# Altium PCB 3-as-manufactured.PcbDoc (part 10 of 16)
Units mil, origin at the board's own origin, x right, y up, seen from the top; angles counter-clockwise.
Board outline 4130.55 x 4250 mil, 8 copper layers (L1_TOP, L2_GND, L3_INT, L4_PWR, L5_PWR, L6_INT, L7_GND, L8_BOT), stack 61 mil thick; 584 components, 489 nets, 2229 pads, 1894 vias.
Unrouted connection lines stored in the file: 4.
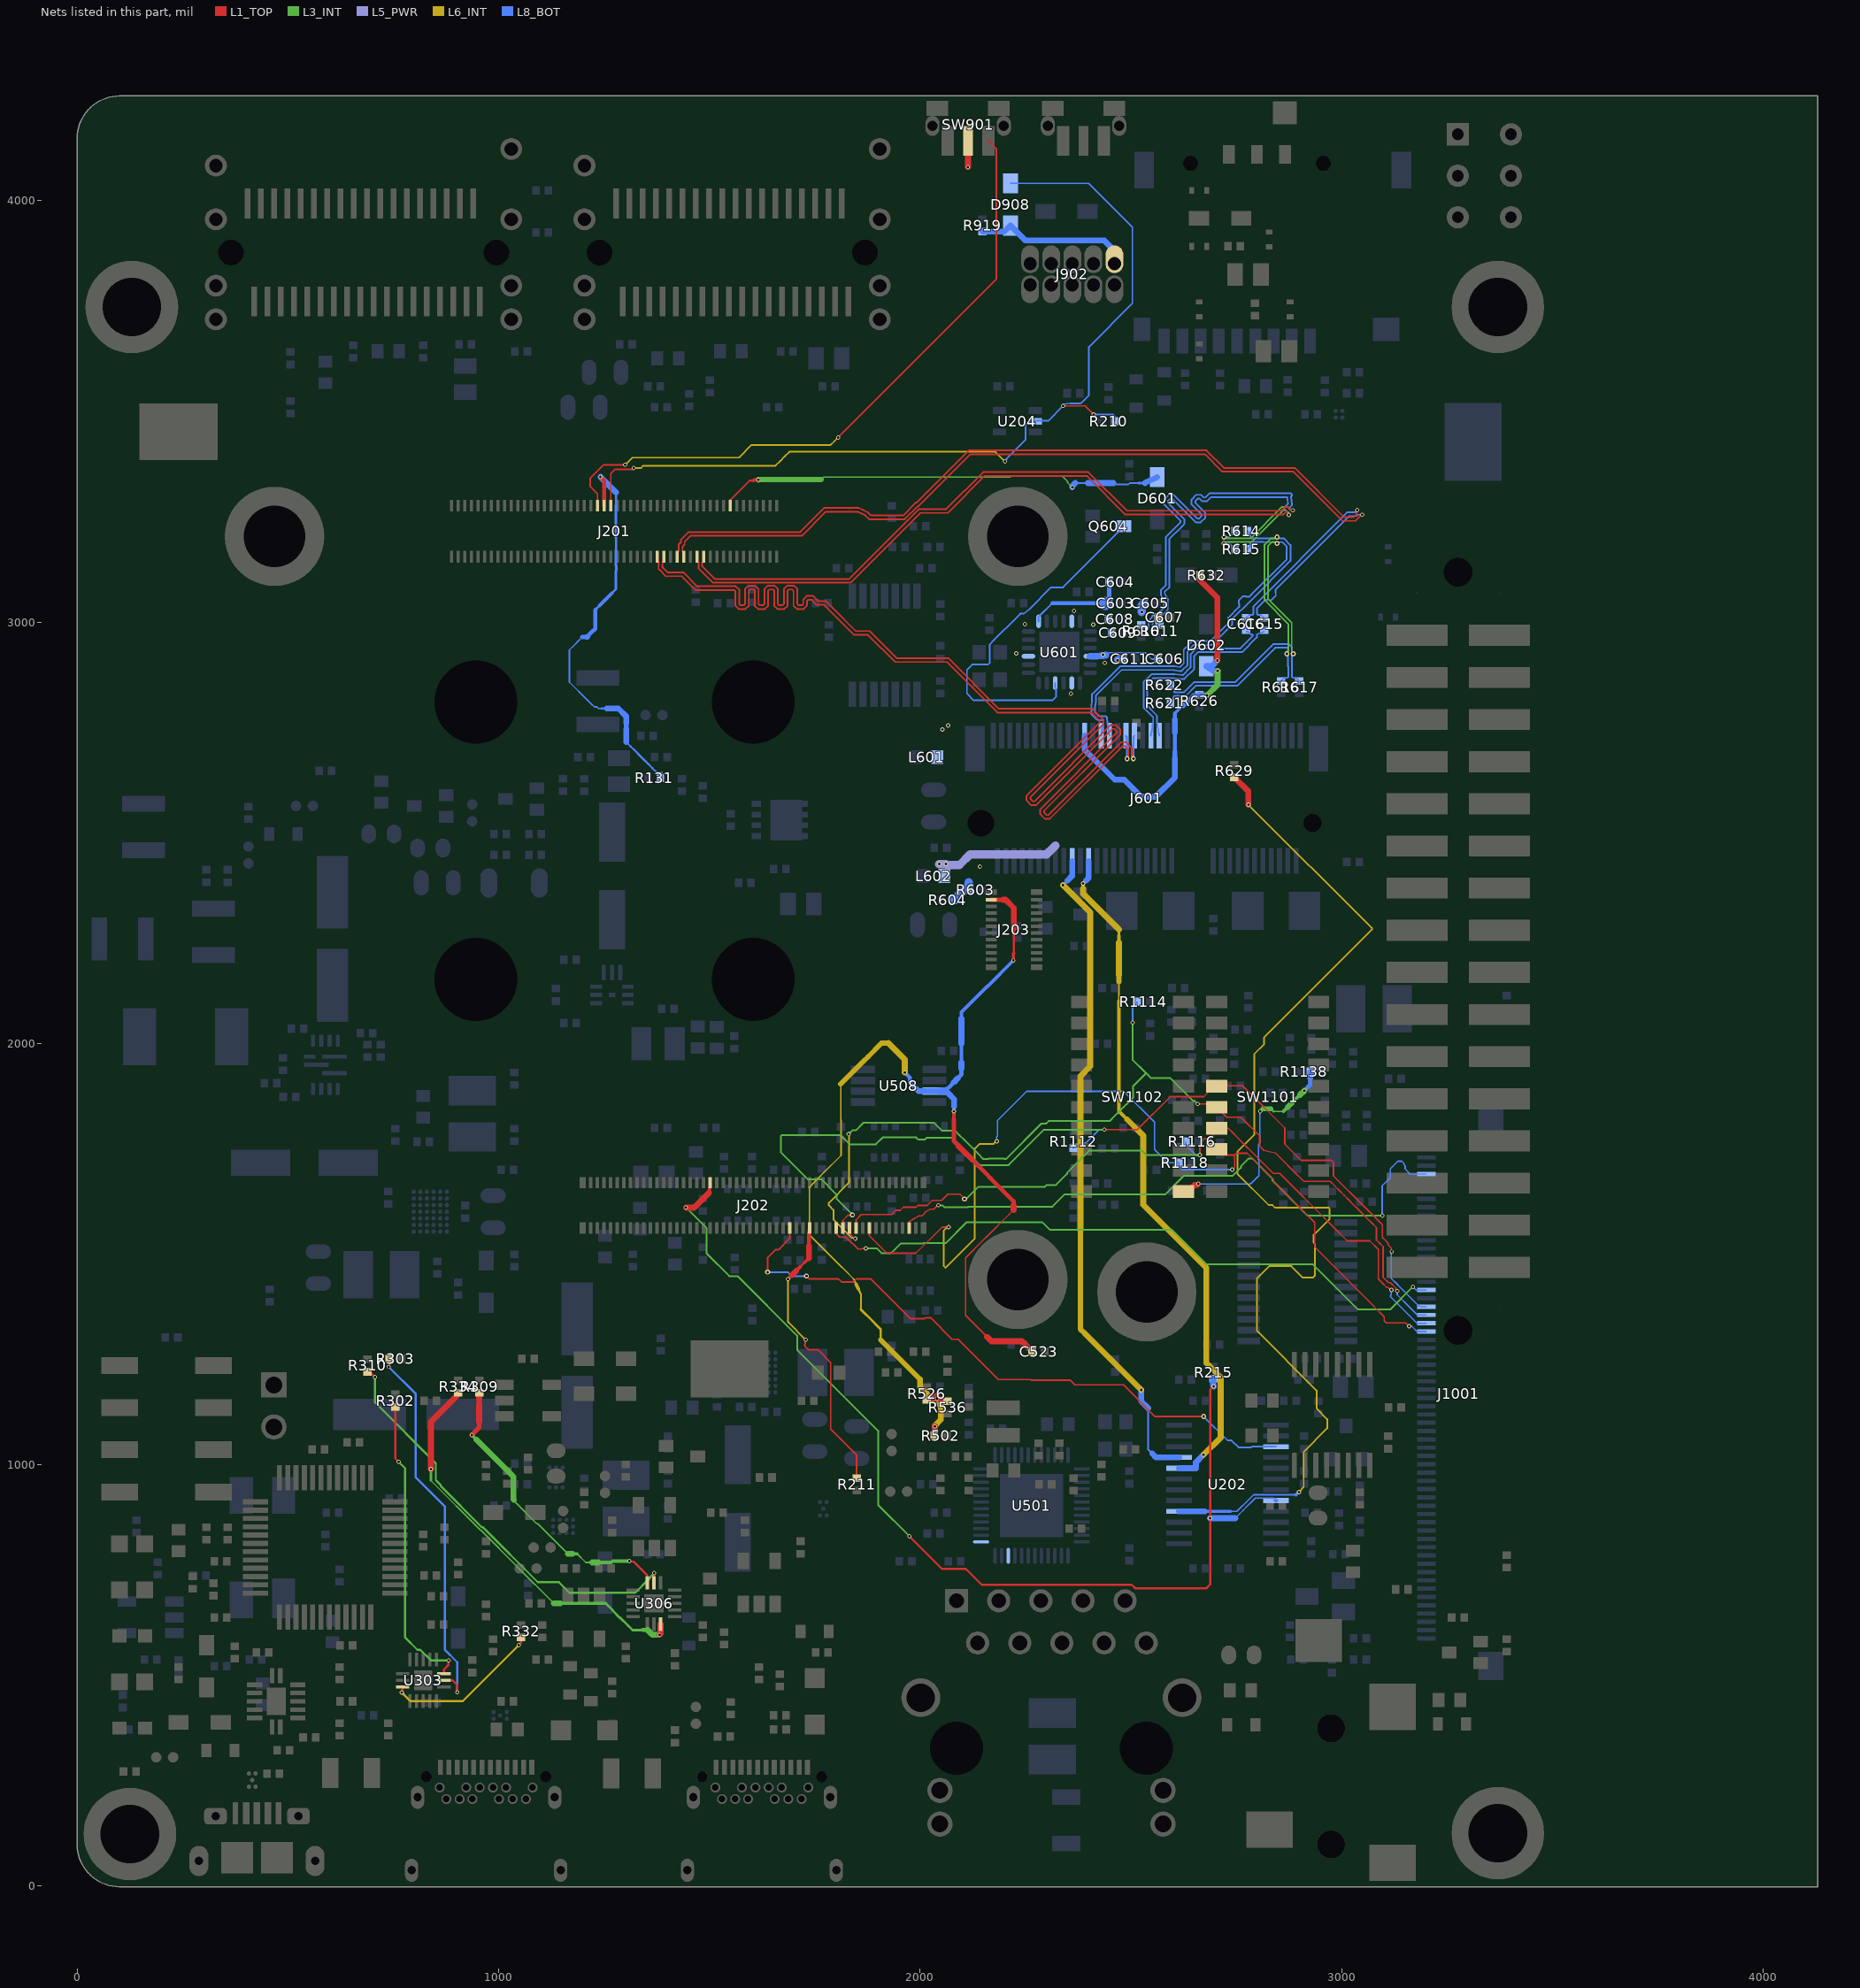
[diagram p16: the nets of this part, all layers, seen from the top]

## Via types
v1: diameter 10, hole 5.9, L1_TOP to L8_BOT, tented both sides, 1703 vias
v2: diameter 12, hole 5.9, L1_TOP to L8_BOT, tented both sides, 110 vias
v3: diameter 10, hole 6, L1_TOP to L8_BOT, tented both sides, 69 vias
v4: diameter 12, hole 6, L1_TOP to L8_BOT, tented both sides, 12 vias

## Nets (pads, with @x,y where several pads share a name; then routed paths per layer and width w, separated by ;. In a path a pad name is that pad's centre, name@x,y a point inside that pad or via, vN(x,y) a via of type N, cw(c..) or ccw(c..) an arc to the next point about the centre after c; other vN are vias at no path point) (continued)
NetR1138_1: R1138.1 SW1102.11 | length 528.8
  L1_TOP w12.01: v1@2657.81,1664.67 v1(2659.96,1666.83)
  L1_TOP w14.05: SW1102.11@2624.63,1648.79 2639.01,1651.65 2652.03,1664.67 v1@2657.81,1664.67
  L3_INT w3.5: 2838.32,1838.98 2862.14,1838.98
  L3_INT w4.85: 2832.44,1844.85 2838.32,1838.98
  L3_INT w7.92: v1(2807,1839) 2807.18,1839 2813.04,1844.85 ; 2862.14,1838.98 2871.93,1848.77 ; 2881.72,1858.56 2891.51,1868.35
  L3_INT w8.94: 2891.51,1868.35 2901.3,1878.14
  L3_INT w10.99: 2813.04,1844.85 2832.44,1844.85
  L3_INT w13.03: 2871.93,1848.77 2881.72,1858.56
  L3_INT w14.05: 2901.3,1878.14 2911.09,1887.93 v1(2911.6,1887.93)
  L8_BOT w3.5: v1(2659.96,1666.83) 2783.65,1666.83 ; 2802.56,1725.17 2802.56,1760.68 2805.82,1763.94 2805.82,1837.82 v1(2807,1839) ; 2802.81,1724.25 2803.71,1723.34 2803.71,1686.89
  L8_BOT w3.83: 2783.65,1666.83 2803.71,1686.89 ; 2802.56,1725.17 2802.81,1724.26
  L8_BOT w7.92: v1(2911.6,1887.93) v1@2911.6,1888.3
  L8_BOT w8.94: v1@2911.6,1888.3 2918.64,1895.35 ; 2925.69,1902.39 2925.69,1917.63
  L8_BOT w9.96: 2918.64,1895.35 2925.69,1902.39
  L8_BOT w13.03: 2925.69,1917.63 R1138.1@2925.68,1932.87
NRST: D908.C J902.10 R919.2 | length 364.4
  L8_BOT w14.05: R919.2@2147.85,3926.9 2199.62,3926.91 D908.C@2214.2,3941.47 2249.93,3905.74 2436.83,3905.74 2460.96,3881.61 J902.10@2460.96,3861.16
NVCC_ENET: C523.1 J203.19 R502.2 R526.2 R536.2 U508.3 | length 2869.2
  L1_TOP w3.5: 2158.62,1303.57 2151.75,1310.44 2107.52,1354.69 2107.52,1430.49 2107.52,1491.14 2148.99,1532.61 2159.36,1542.98 2211.19,1594.82 2221.56,1605.18
  L1_TOP w5.87: 2222.08,2214.15 2222.08,2257.7
  L1_TOP w6.9: 2222.08,2257.7 2222.08,2272.21
  L1_TOP w7.92: 2080.16,1829.6 v1(2080.16,1839.21) ; v1(2221,2197) 2221,2213.07 2222.08,2214.15
  L1_TOP w8.94: 2080.16,1819.99 2080.16,1829.6
  L1_TOP w9.96: 2080.16,1819.99 2080.16,1767.33 2091,1756.49 ; 2123.52,1723.97 2134.36,1713.13 2145.2,1702.29 2156.04,1691.45 2166.88,1680.6 2221.57,1625.92 2221.57,1615.55 ; J203.19@2168.74,2341.14 2196.69,2341.14
  L1_TOP w12.01: 2112.68,1734.81 2123.52,1723.97
  L1_TOP w14.05: R502.2@2033.56,1069.59 2033.56,1075.18 2034.37,1075.99 2034.37,1081.56 ; 2091,1756.49 2112.68,1734.81 ; 2158.62,1303.57 2168.84,1293.35 2241.27,1293.35 C523.1@2265.8,1268.81 ; 2196.69,2341.14 2202.52,2341.14 2222.08,2321.58 2222.08,2272.21 ; 2221.57,1605.19 2221.57,1615.55
  L1_TOP w15: R526.2@2015.16,1154.43 2025.16,1157.43 2036.63,1162.93 ; 2034.37,1081.56 2035.02,1082.21 2035.02,1091 v1(2034.59,1091.42) ; 2036.66,1162.94 2039.27,1164.19 2039.27,1157.23 v1@2039.51,1156.98 ; v1(2039.51,1156.91) v1@2039.51,1156.98 ; R536.2@2064.91,1150.76 2054.92,1150.77 2051.66,1153.56 2047.59,1156.98 v1@2039.51,1156.98
  L6_INT w3.5: 1811.34,1903.93 1811.34,1823.16 1811.99,1822.52 1811.99,1818.86 1812.35,1818.51 1812.35,1792.73 1812.05,1792.44 1812.05,1734.21 1768.96,1691.12 1758.36,1680.52 1737.17,1659.33 1737.17,1645.14 1737.17,1545.82 1810.33,1472.66 1820.78,1462.21 1841.68,1441.3
  L6_INT w4.85: 1841.68,1441.3 1847.62,1429.1 ; 1853.56,1416.89 1859.5,1404.69 1859.5,1368.39 ; 2034.75,1150.83 2034.75,1149.81 2038.34,1146.22 2038.55,1146.22 2043.94,1140.83 2043.94,1142.85
  L6_INT w5.87: 1859.5,1368.39 1868.82,1359.07 1878.14,1349.74 1887.47,1340.42 1896.79,1331.09 1906.11,1321.77 1906.11,1296.79
  L6_INT w7.92: 1847.62,1429.1 1853.56,1416.89
  L6_INT w12.01: 1811.34,1903.93 1854.48,1947.07 1865.26,1957.85 1876.05,1968.64 1908.4,2000.99 ; 1906.11,1296.79 1948.83,1254.08 1999.56,1203.35 ; 1908.41,2001.01 1924.61,2001.01
  L6_INT w14.05: 1924.61,2001.01 1963.49,1962.13 v1(1963.49,1931.33) ; 1999.56,1203.35 1999.56,1185.15 2033.62,1151.09 2033.89,1150.83 2034.75,1150.83 ; v1(2034.59,1091.42) 2034.59,1092.92 2048.67,1106.99 2048.67,1139.78 2046.64,1141.81 2046.64,1149.77 v1(2039.51,1156.91)
  L8_BOT w7.92: v1(2080.16,1839.21) 2080.16,1850.92 ; 2097.56,2059.46 2097.56,2074.31 2158.71,2135.46 2159.46,2135.46 v1(2221,2197)
  L8_BOT w8.94: v1(1963.49,1931.33) 1975.52,1919.3 1975.52,1907.87 1985.86,1897.52 ; 2097.56,1955.5 2097.56,2000.05
  L8_BOT w9.96: U508.3@2061.6,1889.83 2070.59,1898.82 2079.58,1907.82 ; 2088.57,1916.81 2097.56,1925.8 2097.56,1940.65
  L8_BOT w14.05: 1985.86,1897.52 1996.51,1886.87 U508.3@2033.44,1886.87 ; U508.3@2061.6,1889.83 U508.3@2033.44,1886.87 ; 2079.58,1907.82 2088.57,1916.81 ; 2080.16,1850.92 2080.16,1868.24 2064.83,1883.57 2060.98,1883.97 U508.3@2033.44,1886.87 ; 2097.56,1940.65 2097.56,1955.5 ; 2097.56,2000.05 2097.56,2059.46
ONOFF: J201.46 SW901.2 | length 1630.8
  L1_TOP w4: J201.46@1234.26,3276.42 1234.27,3304.46 1225.6,3313.14 1216.92,3321.81 1216.92,3341.91 1248.54,3373.53 1271.9,3373.53 v1(1299.97,3373.53) ; v1(1805.44,3438.49) 2180.57,3813.62 2180.57,4123.64 2161.86,4142.36
  L1_TOP w14.05: v1(2113,4080) 2113.64,4080.64 SW901.2@2113.63,4142.36
  L6_INT w4: v1(1299.97,3373.53) 1317.01,3390.57 1569.91,3390.57 1599.84,3420.51 1679.46,3420.51 1787.46,3420.51 1796.45,3429.5 v1(1805.44,3438.49)
PCIE_CLK_CPU_N: J201.75 R611.2 R615.1 | length 2650.7
  L1_TOP w4: J201.75@1470.48,3155.16 1470.48,3145.16 1473.85,3141.79 1473.85,3128.45 1508.65,3093.65 1835.26,3093.65 2000.87,3259.26 2065.56,3259.26 2153.3,3347 2395.22,3347 2486.76,3255.46 2859.73,3255.46 2859.87,3255.32 2859.99,3255.32 2860.11,3255.33 2860.23,3255.34 2860.35,3255.35 2860.48,3255.36 2860.6,3255.38 2860.72,3255.4 2860.84,3255.43 2860.95,3255.45 2861.07,3255.48 2861.19,3255.52 2861.31,3255.55 2861.42,3255.59 2861.54,3255.64 2861.65,3255.68 2861.76,3255.73 2861.87,3255.78 2861.98,3255.84 2862.09,3255.89 2862.19,3255.95 2862.3,3256.02 2862.4,3256.08 2862.5,3256.15 2862.6,3256.22 2862.7,3256.3 2862.79,3256.37 2862.89,3256.45 2862.98,3256.53 2863.07,3256.61 2863.16,3256.7 2863.24,3256.79 2863.3,3256.86 2869,3263.19 2876.36,3256.56 v1(2874.49,3254.49)
  L3_INT w4: v2(2721,3187.09) 2723.16,3187.09 2726.66,3190.59 2786.9,3190.59 2861.81,3265.49 2868.32,3265.49 2873.34,3260.47 2873.34,3255.64 v1(2874.49,3254.49)
  L8_BOT w4: R611.2@2564.79,2996.06 2559.12,2990.67 2551.48,2983.41 2550,2982 2550.07,2982.09 2550.15,2982.19 2550.22,2982.29 2550.29,2982.39 2550.36,2982.49 2550.43,2982.59 2550.49,2982.69 2550.55,2982.8 2550.6,2982.91 2550.66,2983.02 2550.71,2983.13 2550.76,2983.24 2550.8,2983.36 2550.84,2983.47 2550.88,2983.59 2550.92,2983.7 2550.95,2983.82 2550.98,2983.94 2551.01,2984.06 2551.03,2984.18 2551.05,2984.3 2551.07,2984.42 2551.08,2984.54 2551.09,2984.66 2551.1,2984.78 2551.11,2984.9 2551.11,2985.01 2551.11,2994 2552.25,3000.23 2558.07,3007.83 2565.68,3009.62 2565.8,3009.65 2565.92,3009.68 2566.04,3009.72 2566.15,3009.76 2566.27,3009.8 2566.38,3009.84 2566.49,3009.89 2566.6,3009.94 2566.71,3009.99 2566.82,3010.05 2566.93,3010.11 2567.03,3010.17 2567.14,3010.24 2567.24,3010.3 2567.34,3010.37 2567.44,3010.45 2567.53,3010.52 2567.63,3010.6 2567.72,3010.68 2567.81,3010.76 2567.9,3010.85 2567.9,3011.15 2574.93,3018.18 2575.94,3018.18 2587.51,3029.75 2587.51,3052.79 2587.65,3052.93 2587.65,3053.54 2587.65,3053.66 2587.65,3053.79 2587.64,3053.91 2587.63,3054.03 2587.61,3054.15 2587.59,3054.27 2587.57,3054.39 2587.55,3054.51 2587.52,3054.63 2587.49,3054.75 2587.46,3054.87 2587.42,3054.98 2587.38,3055.1 2587.34,3055.21 2587.3,3055.32 2587.25,3055.44 2587.2,3055.55 2587.14,3055.66 2587.09,3055.76 2587.03,3055.87 2586.96,3055.98 2586.9,3056.08 2586.83,3056.18 2586.76,3056.28 2586.69,3056.38 2586.61,3056.47 2586.53,3056.57 2586.45,3056.66 2586.37,3056.75 2586.29,3056.82 2586.15,3056.97 2580.16,3067.86 2580.16,3071.98 2591.43,3083.25 2591.43,3197.94 2620.64,3227.15 2626.55,3233.06 2626.55,3244.48 2587.7,3283.33 2587.7,3287.29 2593.64,3293.23 2597.6,3293.23 2653.96,3236.86 2665.38,3236.86 2676.59,3248.08 2676.59,3259.49 2652.75,3283.33 2652.75,3287.29 2658.69,3293.23 2662.65,3293.23 2668.98,3286.9 2680.4,3286.9 2687.04,3293.54 2690.26,3296.76 2870.91,3296.76 2871.05,3296.62 2872.64,3281.09 2865.21,3272.84 2865.13,3272.75 2865.05,3272.66 2864.98,3272.56 2864.9,3272.47 2864.83,3272.37 2864.77,3272.26 2864.7,3272.16 2864.64,3272.06 2864.58,3271.95 2864.52,3271.84 2864.47,3271.73 2864.42,3271.62 2864.37,3271.51 2864.32,3271.4 2864.28,3271.28 2864.24,3271.17 2864.21,3271.05 2864.17,3270.93 2864.15,3270.81 2864.12,3270.69 2864.09,3270.57 2864.07,3270.45 2864.06,3270.33 2864.04,3270.21 2864.03,3270.09 2864.02,3269.97 2864.02,3269.85 2864.02,3269.73 2864.02,3269.6 2864.03,3269.48 2864.03,3269.36 2864.05,3269.24 2864.06,3269.12 2864.08,3269 2864.1,3268.88 2864.12,3268.76 2864.15,3268.64 2864.18,3268.52 2864.22,3268.4 2864.25,3268.29 2864.29,3268.17 2864.33,3268.06 2864.38,3267.94 2864.43,3267.83 2864.48,3267.72 2864.53,3267.61 2864.59,3267.51 2864.65,3267.4 2864.72,3267.29 2864.78,3267.19 2864.85,3267.09 2864.92,3266.99 2864.99,3266.89 2865.07,3266.8 2865.15,3266.71 2865.23,3266.61 2865.31,3266.53 2865.4,3266.44 2865.49,3266.35 2865.55,3266.29 2876.36,3256.56 v1(2874.49,3254.49) ; v2(2721,3187.09) 2733.14,3187.09 2738.86,3181.37 2739.86,3181.37 2746.86,3174.37 R615.1@2746.86,3173.37
PCIE_CLK_CPU_P: J201.77 R610.2 R614.1 | length 2667
  L1_TOP w4: J201.77@1486.23,3155.16 1486.23,3145.16 1482.85,3141.79 1482.85,3132.17 1512.38,3102.65 1831.53,3102.65 1997.14,3268.26 2061.83,3268.26 2149.57,3356 2398.95,3356 2490.49,3264.46 2857.64,3264.46 2857.78,3264.6 2865.21,3272.84 2865.27,3272.91 2865.36,3273 2865.44,3273.09 2865.53,3273.17 2865.63,3273.25 2865.72,3273.33 2865.81,3273.4 2865.91,3273.48 2866.01,3273.55 2866.11,3273.62 2866.21,3273.68 2866.32,3273.75 2866.42,3273.81 2866.53,3273.86 2866.64,3273.92 2866.75,3273.97 2866.86,3274.02 2866.98,3274.06 2867.09,3274.11 2867.21,3274.15 2867.32,3274.18 2867.44,3274.22 2867.56,3274.25 2867.68,3274.27 2867.8,3274.3 2867.92,3274.32 2868.04,3274.34 2868.16,3274.35 2868.28,3274.36 2868.4,3274.37 2868.52,3274.38 2868.65,3274.38 2868.77,3274.38 2868.89,3274.37 2869.01,3274.37 2869.13,3274.36 2869.25,3274.34 2869.37,3274.32 2869.49,3274.3 2869.61,3274.28 2869.73,3274.25 2869.85,3274.22 2869.97,3274.19 2870.09,3274.15 2870.2,3274.12 2870.32,3274.07 2870.43,3274.03 2870.54,3273.98 2870.65,3273.93 2870.76,3273.88 2870.87,3273.82 2870.98,3273.76 2871.08,3273.7 2871.18,3273.63 2871.28,3273.57 2871.38,3273.49 2871.48,3273.42 2871.58,3273.35 2871.67,3273.27 2871.76,3273.19 2882.57,3263.46 v1(2884.43,3265.53)
  L3_INT w4: v2(2721,3202.09) 2723.16,3202.09 2726.66,3198.59 2783.59,3198.59 2858.49,3273.49 2871.64,3273.49 2878.45,3266.68 2883.28,3266.68 v1(2884.43,3265.53)
  L8_BOT w4: R610.2@2526.05,2995.77 2533.3,2991.55 2541.83,2986.59 2541.83,2994.42 2541.83,2994.53 2541.83,2994.65 2541.84,2994.77 2541.85,2994.9 2541.87,2995.02 2541.88,2995.14 2541.9,2995.26 2543.32,3003.01 2543.35,3003.12 2543.37,3003.24 2543.4,3003.36 2543.44,3003.48 2543.47,3003.59 2543.51,3003.71 2543.55,3003.82 2543.6,3003.94 2543.64,3004.05 2543.7,3004.16 2543.75,3004.27 2543.81,3004.38 2543.87,3004.48 2543.93,3004.59 2543.99,3004.69 2544.06,3004.79 2544.13,3004.89 2544.2,3004.99 2551.71,3014.79 2551.79,3014.9 2551.87,3014.99 2551.95,3015.08 2552.04,3015.17 2552.12,3015.26 2552.21,3015.34 2552.3,3015.43 2552.39,3015.51 2552.48,3015.58 2552.58,3015.66 2552.68,3015.73 2552.78,3015.8 2552.88,3015.87 2552.98,3015.93 2553.09,3016 2553.19,3016.05 2553.3,3016.11 2553.41,3016.16 2553.52,3016.22 2553.64,3016.26 2553.75,3016.31 2553.86,3016.35 2553.98,3016.39 2554.1,3016.42 2554.21,3016.46 2554.33,3016.49 2562.28,3018.35 2571.1,3027.18 2572.21,3027.18 2578.51,3033.48 2578.51,3051.71 2578.37,3051.85 2578.33,3051.92 2571.46,3064.43 ; 2571.45,3064.44 2571.39,3064.55 2571.34,3064.66 2571.29,3064.77 2571.24,3064.88 2571.19,3065 2571.15,3065.11 2571.11,3065.23 2571.08,3065.34 2571.04,3065.46 2571.01,3065.58 2570.99,3065.7 2570.96,3065.82 2570.94,3065.94 2570.92,3066.06 2570.91,3066.18 2570.9,3066.3 2570.89,3066.42 2570.89,3066.54 2570.88,3066.67 2570.88,3073.9 2570.89,3074.01 2570.89,3074.13 2570.9,3074.25 2570.91,3074.37 2570.92,3074.49 2570.94,3074.62 2570.96,3074.74 2570.98,3074.86 2571.01,3074.97 2571.04,3075.09 2571.07,3075.21 2571.11,3075.33 2571.15,3075.44 2571.19,3075.56 2571.23,3075.67 2571.28,3075.78 2571.33,3075.89 2571.39,3076 2571.44,3076.11 2571.5,3076.22 2571.57,3076.32 2571.63,3076.43 2571.7,3076.53 2571.77,3076.63 2571.84,3076.72 2571.92,3076.82 2571.99,3076.91 2572.07,3077.01 2572.16,3077.1 2572.24,3077.18 2572.64,3077.18 2582.43,3086.98 2582.43,3201.67 2614.28,3233.51 2617.55,3236.79 2617.55,3240.75 2578.7,3279.6 2578.7,3291.02 2589.91,3302.23 2601.33,3302.23 2657.69,3245.86 2661.65,3245.86 2667.59,3251.8 2667.59,3255.76 2643.75,3279.6 2643.75,3291.02 2654.97,3302.23 2666.38,3302.23 2672.71,3295.9 2676.67,3295.9 2680.67,3299.91 2686.53,3305.76 2876.52,3305.76 2876.66,3305.9 2876.81,3305.92 2876.93,3305.92 2877.06,3305.93 2877.18,3305.93 2877.3,3305.93 2877.42,3305.92 2877.54,3305.92 2877.66,3305.91 2877.79,3305.89 2877.91,3305.87 2878.03,3305.85 2878.15,3305.83 2878.26,3305.8 2878.38,3305.77 2878.5,3305.74 2878.62,3305.7 2878.73,3305.66 2878.85,3305.62 2878.96,3305.57 2879.07,3305.53 2879.18,3305.47 2879.29,3305.42 2879.4,3305.36 2879.51,3305.3 2879.61,3305.24 2879.71,3305.18 2879.81,3305.11 2879.91,3305.04 ; v2(2721,3202.09) 2733.14,3202.09 2738.86,3207.81 2739.86,3207.81 2746.86,3214.81 R614.1@2746.86,3215.81 ; 2879.94,3305.01 2880.04,3304.94 2880.14,3304.86 2880.23,3304.79 2880.32,3304.7 2880.41,3304.62 2880.5,3304.54 2880.58,3304.45 2880.66,3304.36 2880.74,3304.26 2880.82,3304.17 2880.89,3304.07 2880.97,3303.97 2881.04,3303.87 2881.1,3303.77 2881.17,3303.67 2881.23,3303.56 2881.29,3303.46 2881.34,3303.35 2881.39,3303.24 2881.44,3303.13 2881.49,3303.01 2881.54,3302.9 2881.58,3302.79 2881.62,3302.67 2881.65,3302.55 2881.68,3302.44 2881.71,3302.32 2881.74,3302.2 2881.76,3302.08 2881.78,3301.96 2881.79,3301.84 2881.81,3301.71 2881.82,3301.59 2881.82,3301.47 2881.83,3301.35 2881.83,3301.23 2881.82,3301.11 2881.82,3300.98 2881.81,3300.86 2881.79,3300.74 2881.78,3300.62 2881.76,3300.5 2881.74,3300.38 2881.71,3300.26 2881.68,3300.14 2881.65,3300.02 2881.62,3299.91 2881.58,3299.79 2881.54,3299.68 2881.5,3299.56 2881.45,3299.45 2881.4,3299.34 2881.35,3299.23 2881.29,3299.12 2880.31,3297.26 2882.08,3279.99 2882.09,3279.9 2882.1,3279.77 2882.1,3279.65 2882.1,3279.53 2882.1,3279.41 2882.1,3279.29 2882.09,3279.17 2882.08,3279.04 2882.06,3278.92 2882.05,3278.8 2882.03,3278.68 2882,3278.56 2881.98,3278.44 2881.95,3278.32 2881.91,3278.21 2881.88,3278.09 2881.84,3277.98 2881.8,3277.86 2881.75,3277.75 2881.7,3277.64 2881.65,3277.52 2881.6,3277.42 2881.54,3277.31 2881.48,3277.2 2881.42,3277.1 2881.36,3276.99 2881.29,3276.89 2881.22,3276.79 2881.14,3276.69 2881.07,3276.6 2880.99,3276.5 2880.91,3276.41 2875.21,3270.08 2882.57,3263.46 v1(2884.43,3265.53)
PCIE_NCLKREQ_DEV: D602.C J601.53 R626.2 R632.1 | length 911.5
  L1_TOP w14.05: R632.1@2663.92,3111.58 2661.11,3102.22 2705.12,3058.21 v1(2705.12,2909.01)
  L3_INT w14.05: v1(2681.09,2826.75) 2705.7,2851.36 v1(2705.7,2884.25)
  L8_BOT w6.9: 2604.3,2783.78 2613.56,2793.04 2622.82,2802.3
  L8_BOT w7.92: 2632.08,2811.56 2640.05,2819.53 2648.02,2827.5 R626.2@2662.09,2827.51
  L8_BOT w9.96: 2604.3,2692.23 2604.3,2738 ; 2604.3,2768.52 2604.3,2783.78
  L8_BOT w12.01: 2604.3,2676.97 2604.3,2692.23
  L8_BOT w13.03: 2604.3,2738 2604.3,2753.26
  L8_BOT w14.05: J601.53@2389.99,2730.52 2389.98,2697.53 2461.42,2626.09 2483.97,2626.09 2524.11,2585.95 2559.05,2585.95 2604.3,2631.19 2604.3,2676.97 ; 2604.3,2753.26 2604.3,2768.52 ; 2622.82,2802.3 2632.08,2811.56 ; R626.2@2662.09,2827.51 2662.84,2826.75 v1(2681.09,2826.75) ; v1(2705.12,2909.01) 2691.69,2895.57 D602.C@2678.68,2895.57 2695.2,2884.25 v1(2705.7,2884.25)
PCIE_NDIS: J601.56 U202.21 | length 1589.8
  L6_INT w13.03: 2380.08,1557.06 2380.08,1322.45 2391.19,1311.34
  L6_INT w14.05: v1(2338.87,2375.92) 2403.38,2311.42 2403.38,1945.89 2380.08,1922.59 2380.08,1557.06 ; 2391.19,1311.33 v1(2524.55,1177.97)
  L8_BOT w4.85: 2540.86,1134.51 2540.86,1036.75 2550.47,1027.14
  L8_BOT w7.92: v1(2338.87,2375.92) 2349.66,2386.71
  L8_BOT w14.05: 2349.66,2386.71 2360.45,2397.5 J601.56@2360.46,2433.28 ; v1(2524.55,1177.97) 2524.55,1150.83 2540.86,1134.51 ; 2550.47,1027.14 2560.07,1017.54 U202.21@2614.25,1017.54
PCIE_NDIS_LV: J202.62 U202.3 | length 1517.9
  L1_TOP w4: v2(1637.75,1457.35) 1637.75,1491.61 1656.67,1510.53 1663.46,1510.53 1690.24,1537.3 J202.62@1690.24,1561.94 ; v2(1730,1448) 1736.99,1441.01 1806.44,1441.01 1813.43,1434.02 1841.44,1434.02 1848.93,1441.51 1882.35,1441.51 1976.95,1346.9 2010.9,1346.9 2013.25,1349.26 2024.29,1349.26 2075.55,1298 2089.86,1298 2185.3,1202.56 2262.53,1202.56 2264.39,1200.7 2356.51,1200.7 2367.21,1189.99 2482.28,1189.99 2557.44,1114.83 v2(2672.73,1114.83)
  L8_BOT w4: v2(1637.75,1457.35) 1685.45,1457.35 1694.8,1448 v2(1730,1448) ; v2(2672.73,1114.83) 2729.79,1057.77 2738.65,1057.77 2755.04,1041.39 2785.8,1041.39 2787.55,1043.14 U202.3@2844.15,1043.14
PCIE_NRST: J601.52 U202.20 | length 1646.2
  L6_INT w3.83: 2471.69,2100.98 2471.69,2147.2
  L6_INT w5.87: 2471.69,2255.04 2471.69,2270.45
  L6_INT w7.92: 2471.69,2100.98 2471.69,2008.54 2471.69,1916.1 2471.69,1839.07 2481.26,1829.5 2490.83,1819.93 ; 2471.69,2239.64 2471.69,2255.04
  L6_INT w8.94: 2386.55,2367.77 v1(2386.55,2379.96)
  L6_INT w13.03: 2471.69,2147.2 2471.69,2162.6
  L6_INT w14.05: 2386.55,2367.77 2386.55,2355.58 2471.69,2270.45 ; 2471.69,2162.6 2471.69,2239.64 ; 2490.83,1819.93 2500.4,1810.36 2529.11,1781.65 2529.11,1617.24 2678.86,1467.49 2678.86,1241.73 2712.82,1207.77 2712.82,1064.5 v1(2672.35,1024.03)
  L8_BOT w7.92: v1(2386.55,2379.96) 2393.19,2386.6
  L8_BOT w14.05: 2393.19,2386.6 2399.82,2393.24 J601.52@2399.83,2433.28 ; U202.20@2614.23,991.96 2654.21,991.95 2654.21,1005.88 v1(2672.35,1024.03)
PCIE_NRST_LV: J202.68 R211.1 | length 696.9
  L1_TOP w4: v1(1728,1297) 1726.85,1295.85 1726.85,1287.09 1726,1286.23 1726,1282.23 1734.72,1273.51 1756.62,1273.51 1787.54,1242.59 1787.54,1179.64 1787.54,1085.2 1849.25,1023.49 R211.1@1849.25,968.14
  L1_TOP w4.85: 1715.78,1470.44 1725.97,1480.64
  L1_TOP w7.92: v1(1686,1441) 1686.34,1441 1695.38,1450.05 ; 1725.97,1480.64 1736.17,1490.83
  L1_TOP w8.94: 1705.58,1460.24 1715.78,1470.44 ; 1736.17,1519.63 1736.17,1548.43 J202.68@1737.5,1561.93
  L1_TOP w14.05: 1695.38,1450.05 1705.58,1460.24 ; 1736.17,1490.83 1736.17,1519.63
  L6_INT w4: v1(1686,1441) 1686.34,1440.66 1686.34,1338.66 v1(1728,1297)
PCIE_NWAKE: D601.A J201.86 | length 1075.1
  L1_TOP w3.83: J201.86@1549.23,3289.9 1585.99,3326.66 1595.18,3335.85
  L1_TOP w4.85: J201.86@1549.22,3276.42 J201.86@1549.23,3289.9 ; 1595.18,3335.85 1603.95,3335.85
  L1_TOP w7.92: 1603.95,3335.85 1605.81,3337.7 1615.37,3337.7 v1(1615.76,3338.1)
  L3_INT w3.5: 1764.9,3338.68 1770.41,3344.19 2213.16,3344.19 2214.41,3345.45 2215.14,3345.45 2216.44,3346.75 2336.9,3346.75 2349.71,3333.94 2349.71,3331.29 v1(2361,3320)
  L3_INT w13.03: v1(1615.76,3338.1) 1616.34,3338.68 1764.9,3338.68
  L8_BOT w3.83: 2367.84,3330.12 2397.95,3330.12 ; 2473.23,3326.95 2494.22,3326.95 2497.39,3330.12 2518.39,3330.12
  L8_BOT w4.85: 2458.17,3330.12 2461.34,3326.95 2473.23,3326.95
  L8_BOT w6.9: 2518.39,3330.12 2533.44,3330.12
  L8_BOT w14.05: v1(2361,3320) 2361,3323.27 2367.84,3330.12 ; 2397.95,3330.12 2458.17,3330.12 ; 2533.45,3330.12 2534.85,3331.52 D601.A@2562.56,3344.2
PCIE_REQ: Q604.3 U601.22 | length 852.5
  L8_BOT w4: U601.22@2320.34,2855.63 2320.33,2844.61 2322.55,2842.39 2322.55,2823.43 2313.57,2814.46 2277.39,2814.46 2187.08,2814.46 2126.87,2814.46 2110.81,2830.52 2110.81,2886.14 2123.97,2899.3 2160.73,2899.3 2164.96,2903.54 2164.96,2947.26 2175.36,2957.66 2196.14,2978.44 2206.53,2988.83 2216.92,2999.22 2237.7,3020 2245.68,3020 2252.09,3025.22 2258.51,3030.43 2310.81,3082.74 2338.86,3082.74 2473.44,3217.32 2473.44,3220.82 2480.41,3227.8 Q604.3@2483.91,3227.79